# Altium PCB ECE453_Custom.PcbDoc (continued)
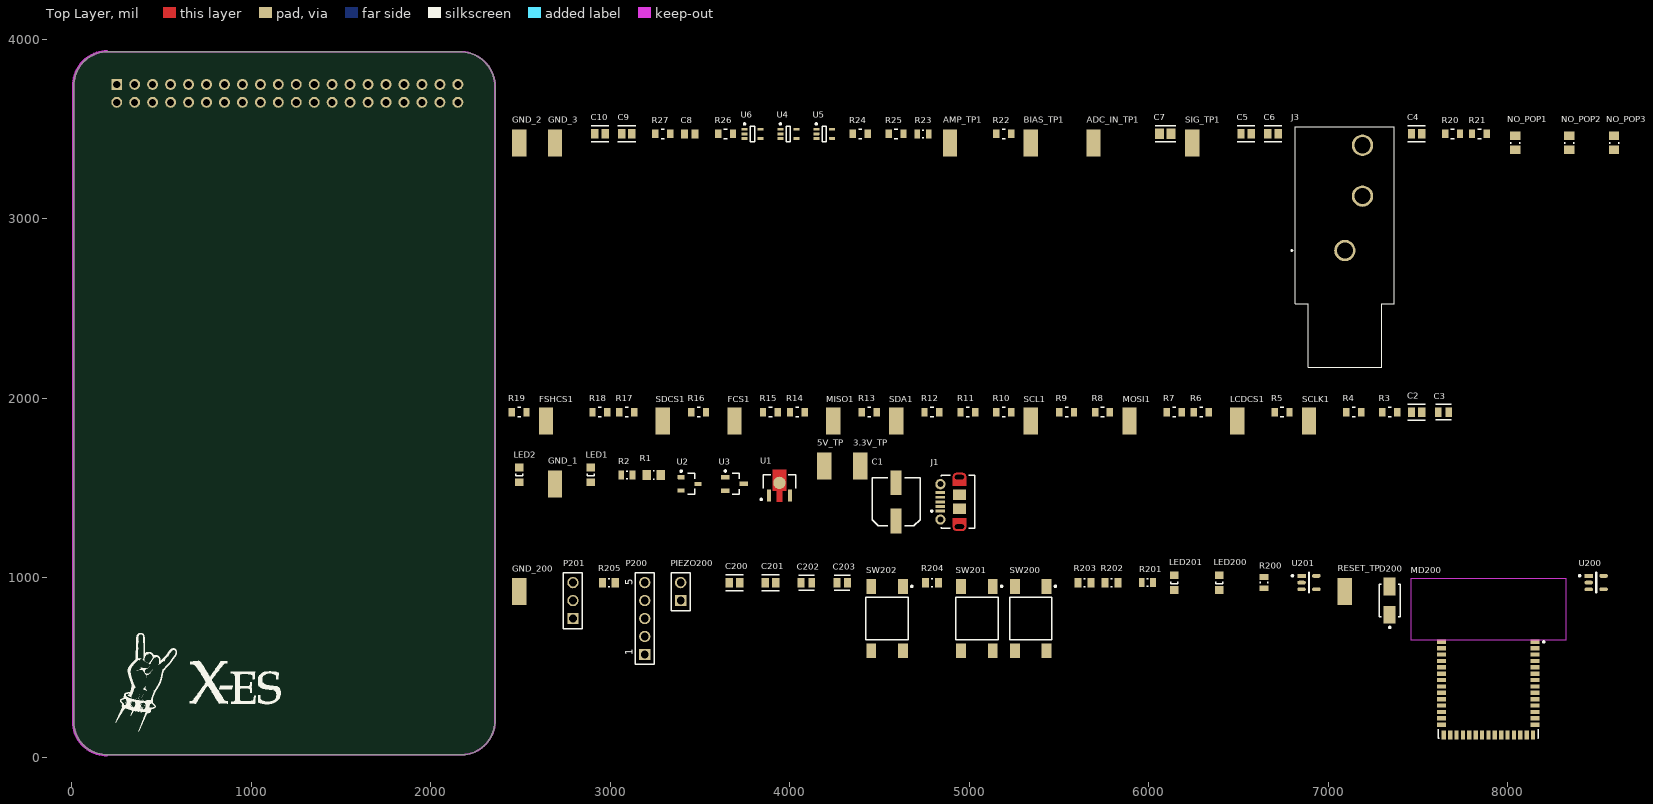
[diagram p0: Top Layer view]
## Part data (continued)
LED201: library part CMP-1426-00011-1, "SMD mono-color Chip LED, WL-SMCW, Red", Case Code (Imperial)=0805, Case Code (Metric)=2012, Color=Red, Forward Current=30mA, Forward Voltage=2V, Manufacturer="Wuerth Elektronik", Manufacturer 1="Wurth Electronics", Max Operating Temperature=85°C, Min Operating Temperature=-40°C, Package Quantity=4000, Supplier Part Number 1=732-4984-1-ND, Test Current=20mA, Case/Package=0805, Category=LEDs, ComponentLink1Description="Manufacturer URL", ComponentLink1URL=http://www.we-online.com, ComponentLink2Description=Datasheet, ComponentLink2URL=http://katalog.we-online.com/led/datasheet/150080RS75000.pdf, ComponentLink3Description=https://datasheet.ciiva.com/22656/150080rs75000-22656961.pdf?src-supplier=Element14, ComponentLink3URL=https://datasheet.ciiva.com/22656/150080rs75000-22656961.pdf?src-supplier=Element14, ComponentLink4Description=https://datasheet.ciiva.com/29279/759435-da-01-en-chipled-0805-w-kl-rot-150080rs75000-29279032.pdf?src-supplier=Conrad, ComponentLink4URL=https://datasheet.ciiva.com/29279/759435-da-01-en-chipled-0805-w-kl-rot-150080rs75000-29279032.pdf?src-supplier=Conrad, Dominant Wavelength=625nm, Height=0.7mm, Length=2mm, Lens Style=Clear,Rectangular, Luminous Intensity=150mcd, Manufacturer Part Number 1=150080RS75000, Mount="Surface Mount", PackageReference=0805_A, Packaging="Tape and Reel", PartNumber=150080RS75000, Pricing 1="1=0.19000, 50=0.17600, 100=0.15100, 500=0.13100 (USD)", REACH SVHC=Unknown, RoHS=Yes, RoHS Compliant=Yes, Stock 1=100282, Supplier 1=Digi-Key, Viewing Angle=140°, Wavelength=625nm, Width=1.25mm
MD200: library part CMP-12964-000002-1, "RF TXRX MOD BLUETOOTH TRACE ANT", Manufacturer="Cypress Semiconductor", Manufacturer 1=Cypress, Max Frequency=2.5GHz, Max Supply Voltage=3.6V, Min Supply Voltage=1.71V, Package=0, Receiving Current=6.7mA, Supplier Part Number 1=428-4622-1-ND, Temperature="-40°C to +85°C", Temperature Range High=+85°C, Temperature Range Low=-40°C, Transmitting Current=5.7mA, Automotive=No, Bandwidth=100MHz, Category=UNK, ComponentLink2Description=Datasheet, ComponentLink2URL=https://www.cypress.com/file/428336/download, Data Rate=2Mbits/s, Device Class L1="Integrated Circuits (ICs)", Device Class L2="RF Semiconductors and Devices", Device Class L3=Transceivers, Digikey Description="RF TXRX MOD BLUETOOTH TRACE ANT", Height=2mm, Interface=I2C,SPI,UART,I2S,Other, Lead Free=Yes, Manufacturer Part Number=CYBLE-416045-02, Manufacturer Part Number 1=CYBLE-416045-02, Number Of Adc Channels=1, Number Of Gpio=36, Octopart=https://octopart.com/cyble-416045-02-cypress+semiconductor-96386825, Pricing 1="1=16.24000, 10=14.69300, 25=13.53280, 100=12.37280, 250=11.59952 (USD)", RoHS=TRUE, RoHS Compliant=Yes, Stock 1=3441, Supplier 1=Digi-Key
NO_POP1 NO_POP2 NO_POP3: library part CMP-2100-03673-1, "Chip Resistor, 0 Ohm, Jumper, +/- 5%, 0.125 W, -55 to 155 degC, 0805 (2012 Metric), RoHS, Tape and Reel", Case Code (Imperial)=0805, Case Code (Metric)=2012, Manufacturer=Yageo, Manufacturer Part Number=RC0805JR-070RL, Max Operating Temperature=155degC, Max Power Dissipation=125mW, Min Operating Temperature=-55degC, Package Description="2-Pin Surface Mounted Device, Body 2 x 1.25 mm", Resistance=0mOhm, Resistance Tolerance=5%, Resistor Type="Thick Film", Temperature Coefficient=200ppm/degreesC, Voltage Rating=150V, Case/Package=0805, Category="Chip SMD Resistors", ComponentLink1Description=https://datasheet.ciiva.com/11819/0900766b8106beab-11819430.pdf?src-supplier=RSComponents, ComponentLink1URL=https://datasheet.ciiva.com/11819/0900766b8106beab-11819430.pdf?src-supplier=RSComponents, ComponentLink2Description=https://datasheet.ciiva.com/7941/1738694-7941861.pdf?src-supplier=Element14, ComponentLink2URL=https://datasheet.ciiva.com/7941/1738694-7941861.pdf?src-supplier=Element14, ComponentLink3Description=https://datasheet.ciiva.com/7941/1738694-7941862.pdf?src-supplier=Element14, ComponentLink3URL=https://datasheet.ciiva.com/7941/1738694-7941862.pdf?src-supplier=Element14, ComponentLink4Description=https://datasheet.ciiva.com/7941/1738694-7941863.pdf?src-supplier=Element14, ComponentLink4URL=https://datasheet.ciiva.com/7941/1738694-7941863.pdf?src-supplier=Element14, ComponentLink5Description=https://datasheet.ciiva.com/15190/getdatasheetpartid-330685-15190028.pdf?src-supplier=Verical, ComponentLink5URL=https://datasheet.ciiva.com/15190/getdatasheetpartid-330685-15190028.pdf?src-supplier=Verical, Composition=ThickFilm, Construction=Rectangular, Contact Plating=Tin, Datasheet URL=http://www.yageo.com/NewPortal/yageodocoutput?fileName=/pdf/R-Chip/PYu-RC_Group_51_RoHS_L_5.pdf, Datasheet Version="Rev. 5, 10/2016", Depth=1.25mm, Features="Moisture Resistant", Height=0.5mm, Lead Free=LeadFree, Length=2mm, Manufacturer URL=http://www.yageo.com/, Military Standard=Not, Number of Pins=2, Number of Terminations=2, Package Reference=0805, Packaging=TapeandReel, Power Rating=125mW, Pricing 1="1=0.10000, 10=0.03100, 25=0.02280, 50=0.01720, 100=0.01280, 250=0.00972, 500=0.00778, 1000=0.00573 (USD)", Radiation Hardening=No, REACH SVHC=Unknown, RoHS=Yes, RoHS Compliant=Yes, RoHSCompliant=true, Series=RC, Size Code=0805, Stock 1=3029531, Supplier 1=Digi-Key, Technology="THICK FILM", Termination=SMD/SMT, Tolerance=5%, Voltage Rating (DC)=150V, Width=1.25mm
P200: library part CMP-1502-01068-1, "THT Vertical Pin Header WR-PHD, Pitch 2.54 mm, Single Row, 5 pins", Color=Black, Contact Resistance=20mOhm, Manufacturer="Wurth Elektronik", Manufacturer 1="Wurth Electronics", Operating Temperature=-40to105degC, Rated Current=3A, Supplier Part Number 1=732-5318-ND, Withstanding Voltage=500VAC, Working Voltage=250VAC, Category="Headers and Wire Housings", ComponentLink1Description=http://www.farnell.com/cad/1737268.pdf?src-supplier=Element14, ComponentLink1URL=http://www.farnell.com/cad/1737268.pdf?src-supplier=Element14, ComponentLink2Description=https://katalog.we-online.de/em/datasheet/6130xx11121.pdf?src-supplier=Digi-Key, ComponentLink2URL=https://katalog.we-online.de/em/datasheet/6130xx11121.pdf?src-supplier=Digi-Key, Connector Type="Male Pin", Contact Material=Copper, Contact Mating Length=0.236inch, Contact Plating=Gold, Datasheet URL=https://katalog.we-online.de/em/datasheet/6130xx11121.pdf, Gender=Male, Lead Free="Lead Free", Manufacturer Part Number 1=61300511121, Manufacturer URL=http://www.we-online.de, Mount="Through Hole", Mounting Technology=THT, Number of Contacts=5, Number of Positions=5, Number of Rows=1, Orientation=Vertical, Package Reference=61300511121, Packaging=Bag, Part Number=61300511121, Pin Number=5, Pitch=2.54mm, Pricing 1="1=0.26000, 10=0.22200, 25=0.18520, 50=0.15500, 100=0.14100, 1000=0.12800 (USD)", Publisher=WurthElektronik, REACH SVHC=Unknown, RoHS=Yes, RoHS Compliant=Yes, Row Number=Single, Stock 1=41302, Supplier 1=Digi-Key, Termination=Solder
P201: library part CMP-1502-01062-1, "THT Vertical Pin Header WR-PHD, Pitch 2.54 mm, Single Row, 3 pins", Color=Black, Contact Resistance=20mOhm, Manufacturer="Wurth Elektronik", Operating Temperature=-40to105degC, Rated Current=3A, Withstanding Voltage=500VAC, Working Voltage=250VAC, Category=Connectors, ComponentLink1Description=http://www.farnell.com/cad/1737268.pdf?src-supplier=Element14, ComponentLink1URL=http://www.farnell.com/cad/1737268.pdf?src-supplier=Element14, ComponentLink2Description=https://katalog.we-online.de/em/datasheet/6130xx11121.pdf?src-supplier=Digi-Key, ComponentLink2URL=https://katalog.we-online.de/em/datasheet/6130xx11121.pdf?src-supplier=Digi-Key, Connector Type="Male Pin", Contact Material=Copper, Contact Mating Length=0.236inch, Contact Plating=Gold, Datasheet URL=https://katalog.we-online.de/em/datasheet/6130xx11121.pdf, Gender=Male, Lead Free="Lead Free", Manufacturer Part Number=61300311121, Manufacturer URL=http://www.we-online.de, Mount="Through Hole", Mounting Technology=THT, Number of Contacts=3, Number of Positions=3, Number of Rows=1, Orientation=Vertical, Package Reference=61300311121, Packaging=Bag, Part Number=61300311121, Pin Number=3, Pitch=2.54mm, Pricing 1="1=0.13000, 10=0.11300, 25=0.09400, 50=0.07900, 100=0.07100, 1000=0.06600 (USD)", Publisher=WurthElektronik, REACH SVHC=Unknown, RoHS=Yes, RoHS Compliant=Yes, Row Number=Single, Stock 1=76429, Supplier 1=Digi-Key, Termination=Solder
PIEZO200: library part CMP-1712-00002-4, "THT Vertical Pin Header WR-PHD, Pitch 2.54 mm, Single Row, 2 pins", Color=Black, Contact Resistance=20mOhm, Current Rating=3A, Manufacturer="Wurth Elektronik", Max Operating Temperature=125°C, Min Operating Temperature=-40°C, Operating Temperature=-40to105degC, Voltage Rating=250V, Withstanding Voltage=500VAC, Working Voltage=250VAC, Category="Headers and Wire Housings", ComponentLink1Description=https://datasheet.ciiva.com/13619/6130xx11121-48870-13619345.pdf?src-supplier=Mouser, ComponentLink1URL=https://datasheet.ciiva.com/13619/6130xx11121-48870-13619345.pdf?src-supplier=Mouser, Connector Type="Male Pin", Contact Gender=Male, Contact Material="Copper Alloy,Copper", Contact Mating Length=0.236inch, Contact Plating=Gold, Contact Type="Male Pin", Datasheet URL=https://katalog.we-online.de/em/datasheet/6130xx11121.pdf, Gender=Male, Housing Material=PBT, Lead Free="Lead Free", Manufacturer Part Number=61300211121, Manufacturer URL=http://www.we-online.de, Mount="Through Hole", Mounting Technology=THT, Number of Contacts=2, Number of Positions=2, Number of Rows=1, Orientation=Vertical, Package Reference=61300211121, Packaging=Bag, Part Number=61300211121, Pin Number=2, Pitch=2.54mm, Pricing 1="1=0.13000, 10=0.11300, 25=0.09400, 50=0.07900, 100=0.07100, 1000=0.06500 (USD)", Publisher=WurthElektronik, Rated Current=3A, REACH SVHC=Unknown, RoHS=Yes, RoHS Compliant=Yes, Row Number=Single, Series=WR-PHD, Stock 1=267961, Supplier 1=Digi-Key, Termination="Through Hole"
R1: library part CMP-2100-03669-1, "Chip Resistor, 100 Ohm, +/-1%, 0.125 W, -55 to 155 degC, 0805 (2012 Metric), RoHS, Tape and Reel", Case Code (Imperial)=0805, Case Code (Metric)=2012, Manufacturer=Yageo, Manufacturer Part Number=RC0805FR-07100RL, Max Operating Temperature=155degC, Max Power Dissipation=125mW, Min Operating Temperature=-55degC, Package Description="2-Pin Surface Mounted Device, Body 2 x 1.25 mm", Package Quantity=1, Resistance=100Ohm, Resistor Type="Thick Film", Temperature Coefficient=100ppm/degreesC, Tolerance=1%, Voltage Rating=150V, Application(s)="HIGH RELIABILITY", Case/Package=0805, Category="Chip SMD Resistors", ComponentLink1Description=https://datasheet.ciiva.com/11808/0900766b8106beab-11808877.pdf?src-supplier=RSComponents, ComponentLink1URL=https://datasheet.ciiva.com/11808/0900766b8106beab-11808877.pdf?src-supplier=RSComponents, ComponentLink2Description=https://datasheet.ciiva.com/7941/1697719-7941680.pdf?src-supplier=Element14, ComponentLink2URL=https://datasheet.ciiva.com/7941/1697719-7941680.pdf?src-supplier=Element14, ComponentLink3Description=https://datasheet.ciiva.com/7941/1686128-7941679.pdf?src-supplier=Element14, ComponentLink3URL=https://datasheet.ciiva.com/7941/1686128-7941679.pdf?src-supplier=Element14, ComponentLink4Description=https://datasheet.ciiva.com/7660/38627-7660797.pdf?src-supplier=Element14, ComponentLink4URL=https://datasheet.ciiva.com/7660/38627-7660797.pdf?src-supplier=Element14, ComponentLink5Description=https://datasheet.ciiva.com/22747/444164-22747535.pdf?src-supplier=Element14, ComponentLink5URL=https://datasheet.ciiva.com/22747/444164-22747535.pdf?src-supplier=Element14, ComponentLink6Description=https://datasheet.ciiva.com/46447/444164-46447562.pdf?src-supplier=Element14, ComponentLink6URL=https://datasheet.ciiva.com/46447/444164-46447562.pdf?src-supplier=Element14, ComponentLink7Description=https://datasheet.ciiva.com/2456/pyu-r-int-thick-7-2456988.pdf?src-supplier=Digi-Key, ComponentLink7URL=https://datasheet.ciiva.com/2456/pyu-r-int-thick-7-2456988.pdf?src-supplier=Digi-Key, ComponentLink8Description=https://datasheet.ciiva.com/2456/pyu-r-int-thick-7-2456989.pdf?src-supplier=Digi-Key, ComponentLink8URL=https://datasheet.ciiva.com/2456/pyu-r-int-thick-7-2456989.pdf?src-supplier=Digi-Key, ComponentLink9Description=https://datasheet.ciiva.com/2456/pyu-r-int-thick-7-2456987.pdf?src-supplier=Digi-Key, ComponentLink9URL=https://datasheet.ciiva.com/2456/pyu-r-int-thick-7-2456987.pdf?src-supplier=Digi-Key, ComponentLink10Description=https://datasheet.ciiva.com/17082/rc0805-17082697.pdf?src-supplier=Future+Electronics, ComponentLink10URL=https://datasheet.ciiva.com/17082/rc0805-17082697.pdf?src-supplier=Future+Electronics, Composition=ThickFilm, Datasheet URL=http://www.yageo.com/NewPortal/yageodocoutput?fileName=/pdf/R-Chip/PYu-RC_Group_51_RoHS_L_5.pdf, Datasheet Version="Rev. 5, 10/2016", Depth=1.25mm, Features="Moisture Resistant", Height=0.024inch, Lead Free=LeadFree, Lead Pitch=0.4mm, Length=2mm, Manufacturer URL=http://www.yageo.com/, Military Standard=Not, Number of Pins=2, Number of Terminations=2, Package Reference=0805, Packaging=TapeandReel, Power Rating=125mW, Pricing 1="1=0.10000, 10=0.03700, 100=0.01510, 1000=0.00680, 2500=0.00590 (USD)", REACH SVHC=Unknown, RoHS=Yes, RoHS Compliant=Yes, RoHSCompliant=true, Series=RC, Stock 1=3207618, Supplier 1=Digi-Key, Technology="THICK FILM", Termination=SMD/SMT, Type="General Purpose", Voltage Rating (DC)=150V, Weight=0.000917oz, Width=0.049inch
R2: library part CMP-2001-01384-1, "RES 43 OHM 1/8W .5% SMD 0805", Case Code (Imperial)=0805, Case Code (Metric)=2012, Manufacturer=Yageo, Manufacturer Part Number=RC0805JR-0743RL, Max Operating Temperature=155°C, Max Power Dissipation=125mW, Min Operating Temperature=-55°C, Resistor Type="Thick Film", Temperature Coefficient=100ppm/°C, Tolerance=5%, Voltage Rating=150V, Case/Package=0805, Category="Chip SMD Resistors", ComponentLink1Description=https://datasheet.ciiva.com/12560/rc0805-257173-12560726.pdf?src-supplier=Mouser, ComponentLink1URL=https://datasheet.ciiva.com/12560/rc0805-257173-12560726.pdf?src-supplier=Mouser, ComponentLink2Description=https://datasheet.ciiva.com/16745/rc0805-16745692.pdf?src-supplier=Future+Electronics, ComponentLink2URL=https://datasheet.ciiva.com/16745/rc0805-16745692.pdf?src-supplier=Future+Electronics, Construction=Rectangular, Contact Plating=Tin,Matte, Depth=1.25mm, Features="Moisture Resistant", Height=0.5mm, Lead Free="Lead Free", Length=2mm, Military Standard=Not, Number of Terminations=2, Packaging="Tape and Reel", Part Number=RC0805JR-0743RL, Power Rating=125mW, Pricing 1="1=0.10000, 10=0.03200, 100=0.01300, 1000=0.00584, 2500=0.00507 (USD)", Radiation Hardening=No, Resistance=43R, RoHS=Yes, RoHS Compliant=Yes, Series=RC, Size Code=0805, Stock 1=8138, Supplier 1=Digi-Key, Termination=SMD/SMT, Voltage Rating (DC)=150V, Width=1.25mm
R3 R4 R5 R6 R7 R8 R9 R10 R11 R12 R13 R14 R15 R16 R17 R18 R19: library part CMP-2001-04570-2, "RES SMD 0 OHM JUMPER 1/8W 0805", Case Code (Imperial)=0805, Case Code (Metric)=2012, Manufacturer=Yageo, Manufacturer Part Number=RC0805FR-070RL, Max Operating Temperature=155°C, Max Power Dissipation=125mW, Min Operating Temperature=-55°C, Package=RC0805, Power Rating=0.125W, Resistance=0Ω, Resistor Type="Thick Film", Temperature="-55°C to +155°C", Temperature Range High=+155°C, Tolerance=1%, Voltage Rating=150V, Automotive=No, Case/Package=0805, Category=Res, ComponentLink1Description=https://datasheet.ciiva.com/15189/getdatasheetpartid-348154-15189885.pdf?src-supplier=Verical, ComponentLink1URL=https://datasheet.ciiva.com/15189/getdatasheetpartid-348154-15189885.pdf?src-supplier=Verical, ComponentLink2Description=Datasheet, ComponentLink2URL=http://www.yageo.com/documents/recent/PYu-RC_Group_51_RoHS_L_10.pdf, ComponentLink3Description=https://datasheet.ciiva.com/17042/rc0805-17042698.pdf?src-supplier=Future+Electronics, ComponentLink3URL=https://datasheet.ciiva.com/17042/rc0805-17042698.pdf?src-supplier=Future+Electronics, Composition="Thick Film", Construction=Rectangular, Contact Plating=Tin,Matte, Depth=1.25mm, Device Class L1="Passive Components", Device Class L2=Resistors, Device Class L3="Chip SMD Resistors", Digikey Description="RES SMD 0 OHM JUMPER 1/8W 0805", Features="Moisture Resistant", Footprint Url=http://www.yageo.com/exep/pages/download/literatures/PYu-R_Mount_10.pdf, Height=0.6mm, Ipc Land Pattern Name=RESC200125X50, Lead Free=Yes, Length=2mm, Military Standard=Not, Number of Terminations=2, Octopart=https://octopart.com/rc0805fr-070rl-yageo-9293404, Packaging="Tape and Reel", Pricing 1="1=0.10000, 10=0.03300, 25=0.02360, 50=0.01800, 100=0.01330, 250=0.01012, 500=0.00810, 1000=0.00597 (USD)", Radiation Hardening=No, RoHS=TRUE, RoHS Compliant=Yes, Series=RC_L, Size Code=0805, Stock 1=908367, Supplier 1=Digi-Key, Temperature Range Low=-55°C
R20 R22: library part CMP-03412-020019-1, "RES 100K OHM 1/8W .5% SMD 0805", Case Code (Imperial)=0805, Case Code (Metric)=2012, Manufacturer=Yageo, Manufacturer Part Number=RT0805DRE07100KL, Max Operating Temperature=155°C, Max Power Dissipation=125mW, Min Operating Temperature=-55°C, Package=RT0805, Power Rating=0.125W, Resistance=100KΩ, Resistor Type="Thin Film", Temperature="-55°C to +155°C", Temperature Coefficient="50 ppm/°C", Temperature Range High=+155°C, Tolerance=0.01, Voltage Rating=150V, Automotive=No, Case/Package=0805, Category=Res, ComponentLink1Description=http://www.yageo.com/documents/recent/PYu-RT_1-to-0.01_RoHS_L_9.pdf?src-supplier=Digi-Key, ComponentLink1URL=http://www.yageo.com/documents/recent/PYu-RT_1-to-0.01_RoHS_L_9.pdf?src-supplier=Digi-Key, ComponentLink2Description=Datasheet, ComponentLink2URL=http://www.yageo.com/documents/recent/PYu-RT_1-to-0.01_RoHS_L_9.pdf, Composition="Thin Film", Device Class L1="Passive Components", Device Class L2=Resistors, Device Class L3="Chip SMD Resistors", Digikey Description="RES 100K OHM 1/8W .5% SMD 0805", Features="Moisture Resistant", Footprint Url=http://www.yageo.com/exep/pages/download/literatures/PYu-R_Mount_10.pdf, Height=0.6mm, Ipc Land Pattern Name=RESC200125X50, Lead Free=Yes, Length=0.079inch, Number of Terminations=2, Octopart=https://octopart.com/rt0805dre07100kl-yageo-1433075, Packaging="Tape and Reel", Pricing 1="1=0.13000, 10=0.11500, 100=0.04430, 1000=0.01947, 2500=0.01682 (USD)", RoHS=TRUE, RoHS Compliant=Yes, Series=RT, Stock 1=19530, Supplier 1=Digi-Key, Temperature Range Low=-55°C, Voltage Rating (DC)=150V, Width=0.049inch
R21 R26 R27: library part CMP-2001-01785-2, "RES 10.0K OHM 1/8W .5% SMD 0805", Case Code (Imperial)=0805, Case Code (Metric)=2012, Manufacturer=Yageo, Manufacturer Part Number=RT0805DRE0710KL, Max Operating Temperature=125°C, Max Power Dissipation=125mW, Min Operating Temperature=-55°C, Package=RT0805, Package Quantity=5000, Power Rating=0.125W, Resistance=10KΩ, Resistor Type="Thin Film", Temperature="-55°C to +155°C", Temperature Coefficient="50 ppm/°C", Temperature Range High=+155°C, Tolerance=0.01, Voltage Rating=150V, Automotive=No, Case/Package=0805, Category=Res, ComponentLink1Description=http://www.mouser.com/ds/2/447/yageodocoutput-1125656.pdf?src-supplier=Mouser, ComponentLink1URL=http://www.mouser.com/ds/2/447/yageodocoutput-1125656.pdf?src-supplier=Mouser, ComponentLink2Description=Datasheet, ComponentLink2URL=http://www.yageo.com/documents/recent/PYu-RT_1-to-0.01_RoHS_L_9.pdf, ComponentLink3Description=http://www.yageo.com/documents/recent/PYu-RT_1-to-0.01_RoHS_L_9.pdf?src-supplier=Digi-Key, ComponentLink3URL=http://www.yageo.com/documents/recent/PYu-RT_1-to-0.01_RoHS_L_9.pdf?src-supplier=Digi-Key, ComponentLink4Description=http://www.yageo.com/documents/recent/PYu-RT_1-to-0.05_RoHS_L_(4).pdf?src-supplier=Future+Electronics, ComponentLink4URL=http://www.yageo.com/documents/recent/PYu-RT_1-to-0.05_RoHS_L_(4).pdf?src-supplier=Future+Electronics, Composition="Thin Film", Construction=Rectangular, Depth=1.25mm, Device Class L1="Passive Components", Device Class L2=Resistors, Device Class L3="Chip SMD Resistors", Digikey Description="RES 10.0K OHM 1/8W .5% SMD 0805", Features="Moisture Resistant", Footprint Url=http://www.yageo.com/exep/pages/download/literatures/PYu-R_Mount_10.pdf, Height=0.6mm, Ipc Land Pattern Name=RESC200125X50, Lead Free=Yes, Length=2mm, Military Standard=Not, Mouser Description="Res Thin Film 0805 10K Ohm 0.5% 1/8W ±50ppm/°C Molded SMD Paper T/R", Number of Terminations=2, Octopart=https://octopart.com/rt0805dre0710kl-yageo-1180739, Packaging="Tape and Reel", Pricing 1="1=0.13000, 10=0.11500, 100=0.04430, 1000=0.01947, 2500=0.01682 (USD)", RoHS=TRUE, RoHS Compliant=Yes, Series=RT, Size Code=0805, Stock 1=92996, Supplier 1=Digi-Key, Temperature Range Low=-55°C, Termination=SMD/SMT, Voltage Rating (DC)=150V, Weight=0.000194oz, Width=1.25mm
R23: library part CMP-2001-01475-1, "RES 2K OHM 1/8W .5% SMD 0805", Case Code (Imperial)=0805, Case Code (Metric)=2012, Manufacturer=Yageo, Manufacturer Part Number=RT0805FRE072KL, Max Operating Temperature=125°C, Max Power Dissipation=125mW, Min Operating Temperature=-55°C, Package Quantity=5000, Resistor Type="Thin Film", Temperature Coefficient=50ppm/°C, Tolerance=1%, Voltage Rating=150V, Case/Package=0805, Category="Chip SMD Resistors", ComponentLink1Description=https://datasheet.ciiva.com/12811/pyu-rt-1-to-0-05-rohs-l-4-12811661.pdf?src-supplier=Mouser, ComponentLink1URL=https://datasheet.ciiva.com/12811/pyu-rt-1-to-0-05-rohs-l-4-12811661.pdf?src-supplier=Mouser, ComponentLink2Description=https://datasheet.ciiva.com/2561/pyu-rt-1-to-0-05-rohs-l-5-2561141.pdf?src-supplier=Digi-Key, ComponentLink2URL=https://datasheet.ciiva.com/2561/pyu-rt-1-to-0-05-rohs-l-5-2561141.pdf?src-supplier=Digi-Key, Construction=Rectangular, Contact Plating=Tin,Lead,Matte, Depth=1.25mm, Features="Moisture Resistant", Height=0.024inch, Lead Free="Lead Free", Length=2mm, Military Standard=Not, Number of Terminations=2, Packaging="Tape and Reel", Part Number=RT0805FRE072KL, Power Rating=125mW, Pricing 1="1=0.10000, 10=0.08400, 100=0.03250, 1000=0.01430, 2500=0.01235 (USD)", Radiation Hardening=No, Resistance=2kR, RoHS=Yes, RoHS Compliant=Yes, Series=RT, Stock 1=19626, Supplier 1=Digi-Key, Termination=SMD/SMT, Voltage Rating (DC)=150V, Weight=0.000194oz, Width=0.049inch
R24 R25: library part CMP-2001-01500-2, "RES SMD 6.2K OHM 1% 1/8W 0805", Case/Package=0805, Manufacturer=Yageo, Manufacturer Part Number=RT0805FRE076K2L, Max Operating Temperature=125°C, Max Power Dissipation=125mW, Min Operating Temperature=-55°C, Package=RT0805, Package Quantity=5000, Power Rating=0.125W, Resistance=6.2KΩ, Resistor Type="Thin Film", Temperature="-55°C to +155°C", Temperature Coefficient="50 ppm/°C", Temperature Range High=+155°C, Tolerance=0.0001, Voltage Rating=150V, Automotive=No, Category=Res, ComponentLink1Description=https://datasheet.ciiva.com/2561/pyu-rt-1-to-0-05-rohs-l-5-2561365.pdf?src-supplier=Digi-Key, ComponentLink1URL=https://datasheet.ciiva.com/2561/pyu-rt-1-to-0-05-rohs-l-5-2561365.pdf?src-supplier=Digi-Key, ComponentLink2Description=Datasheet, ComponentLink2URL=http://www.yageo.com/documents/recent/PYu-RT_1-to-0.01_RoHS_L_9.pdf, Composition="Thin Film", Construction=Rectangular, Contact Plating=Tin,Matte, Depth=1.25mm, Device Class L1="Passive Components", Device Class L2=Resistors, Device Class L3="Chip SMD Resistors", Digikey Description="RES SMD 6.2K OHM 1% 1/8W 0805", Footprint Url=http://www.yageo.com/exep/pages/download/literatures/PYu-R_Mount_10.pdf, Height=0.6mm, Ipc Land Pattern Name=RESC200125X50, Lead Free=Yes, Length=0.079inch, Military Standard=Not, Number of Terminations=2, Octopart=https://octopart.com/rt0805fre076k2l-yageo-1397874, Packaging="Tape and Reel", Pricing 1="1=0.10000, 10=0.08400, 100=0.03250, 1000=0.01430, 2500=0.01235 (USD)", Radiation Hardening=No, RoHS=TRUE, RoHS Compliant=Yes, Series=RT, Stock 1=49588, Supplier 1=Digi-Key, Temperature Range Low=-55°C, Voltage Rating (DC)=150V, Width=0.049inch
R200 R201: library part CMP-2000-06960-1, "Chip Resistor, 330 Ohm, +/- 1%, 125 mW, -55 to 155 degC, 0805 (2012 Metric), RoHS, Tape and Reel", Case Code (Imperial)=0805, Case Code (Metric)=2012, Manufacturer=Yageo, Max Operating Temperature=155°C, Max Power Dissipation=125mW, Min Operating Temperature=-55°C, Operating Temperature Range=-55Cto+155C, Package Description="2-Pin Surface Mounted Device, Body 2 x 1.25 mm", Package Quantity=5000, Power Rating=125mW(1/8W), Resistance=330Ohms, Resistance Tolerance=1%, Resistor Type="Thick Film", Supplier Part Number 1=311-330CRCT-ND, Temperature Coefficient=100PPM/C, Voltage Rating=150V, Case Code - in=0805, Case Code - mm=2012, Case/Package=0805, Category="Chip SMD Resistors", ComponentLink1Description=https://datasheet.ciiva.com/2457/pyu-r-int-thick-7-2457015.pdf?src-supplier=Digi-Key, ComponentLink1URL=https://datasheet.ciiva.com/2457/pyu-r-int-thick-7-2457015.pdf?src-supplier=Digi-Key, ComponentLink2Description=https://datasheet.ciiva.com/2457/pyu-r-int-thick-7-2457016.pdf?src-supplier=Digi-Key, ComponentLink2URL=https://datasheet.ciiva.com/2457/pyu-r-int-thick-7-2457016.pdf?src-supplier=Digi-Key, ComponentLink3Description=https://datasheet.ciiva.com/2457/pyu-r-int-thick-7-2457014.pdf?src-supplier=Digi-Key, ComponentLink3URL=https://datasheet.ciiva.com/2457/pyu-r-int-thick-7-2457014.pdf?src-supplier=Digi-Key, ComponentLink4Description=https://datasheet.ciiva.com/12667/rc0805-12667925.pdf?src-supplier=Mouser, ComponentLink4URL=https://datasheet.ciiva.com/12667/rc0805-12667925.pdf?src-supplier=Mouser, ComponentLink5Description=https://datasheet.ciiva.com/7941/444164-7941768.pdf?src-supplier=Element14, ComponentLink5URL=https://datasheet.ciiva.com/7941/444164-7941768.pdf?src-supplier=Element14, ComponentLink6Description=https://datasheet.ciiva.com/7941/444164-7941769.pdf?src-supplier=Element14, ComponentLink6URL=https://datasheet.ciiva.com/7941/444164-7941769.pdf?src-supplier=Element14, ComponentLink7Description=https://datasheet.ciiva.com/16740/rc0805-16740975.pdf?src-supplier=Future+Electronics, ComponentLink7URL=https://datasheet.ciiva.com/16740/rc0805-16740975.pdf?src-supplier=Future+Electronics, Construction=Rectangular, Datasheet URL=http://www.yageo.com/documents/recent/PYu-RC_Group_51_RoHS_L_7.pdf, Datasheet Version="Rev. 7, 05/2017", Depth=1.25mm, Features="Moisture Resistant", Height=0.024inch, Lead Free="Lead Free", Length=2mm, Manufacturer 1=Yageo, Manufacturer Part Number 1=RC0805FR-07330RL, Manufacturer URL=http://www.yageo.com/, Military Standard=Not, Mounting Technology=SurfaceMount, Number of Terminations=2, Package Reference=0805, Packaging=Reel, Pricing 1="1=0.10000, 10=0.03800, 100=0.01560, 1000=0.00699, 2500=0.00607 (USD)", Product=ThickFilmResistorsGeneralPurpose, REACH SVHC=Unknown, RoHS=Yes, RoHS Compliant=Yes, Series=RC, Size Code=0805, Stock 1=1406392, Supplier 1=Digi-Key, Termination=SMD/SMT, Termination Style=SMD/SMT, Tolerance=1%, Width=0.049inch
R202 R203 R204 R205: library part CMP-1659-00013-4, "Chip Resistor, 10 KOhm, +/- 1%, 0.125 W, -55 to 155 degC, 0805 (2012 Metric), RoHS, Tape and Reel", Case Code (Imperial)=0805, Case Code (Metric)=2012, Manufacturer=Yageo, Max Operating Temperature="155 degC", Max Power Dissipation=125mW, Min Operating Temperature="-55 degC", Package Quantity=5000, Resistance=10kR, Resistance Tolerance=1%, Resistor Type="Thick Film", Supplier Part Number 1=311-10.0KCRCT-ND, Temperature Coefficient=100ppm/°C, Voltage Rating="150 V", Case/Package=0805, Category="Chip SMD Resistors", ComponentLink1Description="Manufacturer URL", ComponentLink1URL=http://www.yageo.com/, ComponentLink2Description=Datasheet, ComponentLink2URL=http://www.yageo.com/documents/recent/PYu-RC_Group_51_RoHS_L_04.pdf, ComponentLink3Description=https://datasheet.ciiva.com/11808/0900766b8106beab-11808151.pdf?src-supplier=RSComponents, ComponentLink3URL=https://datasheet.ciiva.com/11808/0900766b8106beab-11808151.pdf?src-supplier=RSComponents, ComponentLink4Description=https://datasheet.ciiva.com/46447/444164-46447563.pdf?src-supplier=Element14, ComponentLink4URL=https://datasheet.ciiva.com/46447/444164-46447563.pdf?src-supplier=Element14, ComponentLink5Description=https://datasheet.ciiva.com/2456/pyu-r-int-thick-7-2456973.pdf?src-supplier=Digi-Key, ComponentLink5URL=https://datasheet.ciiva.com/2456/pyu-r-int-thick-7-2456973.pdf?src-supplier=Digi-Key, ComponentLink6Description=https://datasheet.ciiva.com/2456/pyu-r-int-thick-7-2456974.pdf?src-supplier=Digi-Key, ComponentLink6URL=https://datasheet.ciiva.com/2456/pyu-r-int-thick-7-2456974.pdf?src-supplier=Digi-Key, ComponentLink7Description=https://datasheet.ciiva.com/2456/pyu-r-int-thick-7-2456972.pdf?src-supplier=Digi-Key, ComponentLink7URL=https://datasheet.ciiva.com/2456/pyu-r-int-thick-7-2456972.pdf?src-supplier=Digi-Key, ComponentLink8Description=https://datasheet.ciiva.com/12669/rc0805-12669688.pdf?src-supplier=Mouser, ComponentLink8URL=https://datasheet.ciiva.com/12669/rc0805-12669688.pdf?src-supplier=Mouser, ComponentLink9Description=https://datasheet.ciiva.com/16747/rc0805-16747087.pdf?src-supplier=Future+Electronics, ComponentLink9URL=https://datasheet.ciiva.com/16747/rc0805-16747087.pdf?src-supplier=Future+Electronics, Construction=Rectangular, DatasheetVersion="Rev. 4, 02/2016", Depth=1.25mm, Features="Moisture Resistant", Height="0.5 mm", Lead Free="Lead Free", Length="2 mm", Manufacturer 1=Yageo, Manufacturer Part Number 1=RC0805FR-0710KL, Military Standard=Not, Mount="Surface Mount", Mounting Technology="Surface Mount", Number of Terminations=2, PackageDescription="2-Pin Surface Mounted Device, Body 2 x 1.25 mm", PackageReference=0805, Packaging="Tape and Reel", Pins=2, Power Rating=125mW, Pricing 1="1=0.10000, 10=0.03800, 100=0.01560, 1000=0.00702, 2500=0.00610 (USD)", REACH SVHC="No SVHC", RoHS=Yes, RoHS Compliant=Yes, RoHSCompliant=true, Series=RC, Size Code=0805, Stock 1=5682818, Supplier 1=Digi-Key, Technology="THICK FILM", Termination=SMD/SMT, Tolerance=1%, Width=0.049inch
SW200 SW201 SW202: library part CMP-2000-05602-2, "Swicth, SPST, 24 V, -35 to 85 degC, 4-Pin SMD, RoHS, Tape and Reel", Case/Package=SMD/SMT, Color=Black, Contact Current Rating=50mA, Contact Resistance=100mOhm, Insulation Resistance=100MR, Manufacturer="TE Connectivity", Max Operating Temperature=85degC, Max Voltage Rating (DC)=12V, Min Operating Temperature=-35degC, Operating Force=1.57N, Package Description="4-Pin Surface Mount Device, Body 6 x 6 mm, Pitch 4.5 mm", Package Quantity=750, Supplier Part Number 1=450-1129-ND, Voltage Rating=24V, Actuator Length=0.055inch, Actuator Material=Polyamide, Actuator Type=Standard, Case\/Package=SMD/SMT, Category="Pushbutton Switches", Contact Material=CopperAlloy, Contact Plating=Silver, Current Rating=50mA, Datasheet URL=http://www.te.com/commerce/DocumentDelivery/DDEController?Action=showdoc&DocId=Customer+Drawing%7F2-1437565-7%7FV%7Fpdf%7FEnglish%7FENG_CD_2-1437565-7_V.pdf%7F4-1437565-2, Datasheet Version="Rev. V, 02/2015", Depth=10mm, Electrical Life=100000Cycles, ELV=Compliant, Illumination Type=Illuminated, Lead Free="Lead Free", Length=6mm, Manufacturer 1="TE Connectivity", Manufacturer Part Number 1=FSM4JSMA, Manufacturer URL=http://www.te.com/, Max Current Rating=50mA, Mechanical Life=100000Cycles, Mount=SurfaceMount, Mounting Technology=SurfaceMount, Orientation=Straight, Package Reference=FSM4JSMA, Packaging=LoosePiece, Pricing 1="1=0.27000, 10=0.26300, 25=0.24960, 100=0.22600, 250=0.20604, 750=0.19152, 1500=0.16339, 3000=0.15885, 5250=0.14977 (USD)", Radiation Hardening=No, REACH SVHC=Unknown, RoHS=Yes, RoHS Compliant=Yes, RoHSCompliant=true, Series=FSMJSMA, Stock 1=65608, Supplier 1=Digi-Key, Switch Function=Off-Mom, Switch Travel=0.25mm, Termination=GullWing, Throw Configuration=SPST, Voltage Rating (DC)=24V, Width=6mm
U1: library part CMP-12756-000007-1, "IC REG LINEAR 3.3V 800MA SOT89", Case/Package=SOT-89, Dropout Voltage=1.2V, Manufacturer="Diodes Inc.", Max Input Voltage=15V, Max Junction Temp=+125°C, Max Operating Temperature=125°C, Max Output Current=1.35A, Min Current Limit=1A, Min Operating Temperature=-20°C, Nominal Supply Current=4mA, Output Voltage=3.3V, Package=SOT89, Package Quantity=1000, Power Supply Rejection Ratio (PSRR)=70dB, Reference Voltage=1.262V, Temperature="-20°C to +125°C", Accuracy=1%, Accuracy Percentage=1%, Automotive=No, Category=IC, ComponentLink1Description=https://datasheet.ciiva.com/29568/az1117c-29568862.pdf?src-supplier=Digi-Key, ComponentLink1URL=https://datasheet.ciiva.com/29568/az1117c-29568862.pdf?src-supplier=Digi-Key, ComponentLink2Description=Datasheet, ComponentLink2URL=https://www.diodes.com/assets/Datasheets/AZ1117C.pdf, ComponentLink3Description=https://datasheet.ciiva.com/30016/az1117c-30016678.pdf?src-supplier=Avnet, ComponentLink3URL=https://datasheet.ciiva.com/30016/az1117c-30016678.pdf?src-supplier=Avnet, Device Class L1="Integrated Circuits (ICs)", Device Class L2="Power Management ICs", Device Class L3="Voltage Regulators - Linear", Digikey Description="IC REG LINEAR 3.3V 800MA SOT89", Footprint Url=https://www.diodes.com/assets/Package-Files/SOT89.pdf, Height=1.6mm, Lead Free=Yes, Length=4.6mm, Manufacturer Part Number=AZ1117CR-3.3TRG1, Max Supply Voltage=15V, Mount="Surface Mount", Mouser Description="DiodesZetex AZ1117CR-3.3TRG1, LDO Regulator, 800mA, 3.3 V, ±1% 3-Pin, SOT-89", Number Of Outputs=1, Number of Pins=3, Number of Regulators=1, Octopart=https://octopart.com/az1117cr-3.3trg1-diodes+inc.-30954805, Output Current=1.35A, Output Type=Fixed, Packaging="Tape and Reel", Polarity=Positive, Pricing 1="1=0.44000, 10=0.33300, 25=0.30040, 100=0.20740, 250=0.17468, 500=0.14194 (USD)", Quiescent Current=4mA, RoHS=TRUE, Stock 1=15482, Supplier 1=Digi-Key, Temperature Range High=+125°C, Temperature Range Low=-20°C, Weight=0.004603oz, Width=2.6mm
U2: library part CMP-0332-00606-2, "Voltage Supervisor with Active-Low, Open-Drain Reset, 1 Supply Monitored, -40 to 125 degC, 3-pin SOT-23 (DBZ), Green (RoHS & no Sb/Br)", Case/Package=SOT-23-3, Manufacturer="Texas Instruments", Manufacturer Part Number=TLV863MDBZR, Max Operating Temperature=125°C, Max Reset Threshold Voltage=4.48V, Max Supply Current=30uA, Max Supply Voltage=6V, Min Operating Temperature=-40°C, Min Reset Threshold Voltage=4.28V, Min Supply Voltage=1.1V, Number of Voltages Monitored=1, Operating Supply Current=20uA, Quiescent Current=9uA, Rating=Catalog, Threshold Voltage=4.38V, Threshold Voltage 1 (typ)(Typ)(V)=4.38, # of Supplies Monitored=1, Category="Voltage Supervisors", Code_JEDEC=TO-236-AB, ComponentLink1Description=Datasheet, ComponentLink1URL=http://www.ti.com/general/docs/lit/getliterature.tsp?genericPartNumber=TLV863M&fileType=pdf, ComponentLink2Description=https://datasheet.ciiva.com/14203/tlv863m-14203620.pdf?src-supplier=Avnet, ComponentLink2URL=https://datasheet.ciiva.com/14203/tlv863m-14203620.pdf?src-supplier=Avnet, ComponentLink3Description=https://datasheet.ciiva.com/1979/tlv863m-1979819.pdf?src-supplier=Digi-Key, ComponentLink3URL=https://datasheet.ciiva.com/1979/tlv863m-1979819.pdf?src-supplier=Digi-Key, ComponentLink4Description=https://datasheet.ciiva.com/1979/tlv863m-1979818.pdf?src-supplier=Digi-Key, ComponentLink4URL=https://datasheet.ciiva.com/1979/tlv863m-1979818.pdf?src-supplier=Digi-Key, ComponentLink5Description=https://datasheet.ciiva.com/1979/tlv863m-1979820.pdf?src-supplier=Digi-Key, ComponentLink5URL=https://datasheet.ciiva.com/1979/tlv863m-1979820.pdf?src-supplier=Digi-Key, DatasheetVersion=SBVS157B, Iq(Typ)(uA)=9, Lead Free="Lead Free", Mounting Technology="Surface Mount", Nominal Supply Current=30uA, Number of Elements=1, Number of Pins=3, Output Driver Type / Reset Output="Active-low, Open-drain", Package Quantity=1, PackageDescription="3-Pin Plastic Small-Outline Package, 0.95 mm Pitch, 2.4 mm Lead Span", PackageReference=DBZ0003A, PackageVersion="revB, Apr-2005", Packaging="Tape and Reel", PartNumber=TLV863MDBZR, Pricing 1="1=0.90000, 10=0.80100, 25=0.76000, 100=0.62410, 250=0.58344, 500=0.51558, 1000=0.40960 (USD)", Radiation Hardening=No, Reset="Active Low", Reset Threshold Accuracy(%)=2, Reset Timeout=120ms, RoHS=Yes, RoHS Compliant=Yes, Series=-, Stock 1=1146, SubFamily="Supervisor and Reset IC", Supplier 1=Digi-Key, Supply Current=30uA, Time Delay(ms)=200, VCC(Max)(V)=6, VCC(Min)(V)=1.1, Watchdog Timer=No
U3: library part CMP-0332-00609-2, "Voltage Supervisor with Active-Low, Open Drain Reset, 1 Supply Monitored, -40 to 125 degC, 3-pin SOT-23 (DBZ), Green (RoHS & no Sb/Br)", Case/Package=SOT-23, Manufacturer="Texas Instruments", Manufacturer Part Number=TLV803SDBZR, Max Operating Temperature=125°C, Max Reset Threshold Voltage=2.99V, Max Supply Current=30uA, Max Supply Voltage=6V, Min Operating Temperature=-40°C, Min Reset Threshold Voltage=2.87V, Min Supply Voltage=1.1V, Number of Voltages Monitored=1, Operating Supply Current=20uA, Quiescent Current=9uA, Rating=Catalog, Threshold Voltage=2.93V, Threshold Voltage 1 (typ)(Typ)(V)=2.93, # of Supplies Monitored=1, Category="Voltage Supervisors", Code_JEDEC=TO-236-AB, ComponentLink1Description=Datasheet, ComponentLink1URL=http://www.ti.com/general/docs/lit/getliterature.tsp?genericPartNumber=TLV803S&fileType=pdf, ComponentLink2Description=https://datasheet.ciiva.com/15105/getdatasheetpartid-544055-15105605.pdf?src-supplier=Verical, ComponentLink2URL=https://datasheet.ciiva.com/15105/getdatasheetpartid-544055-15105605.pdf?src-supplier=Verical, ComponentLink3Description=https://datasheet.ciiva.com/1979/tlv803m-1979838.pdf?src-supplier=Digi-Key, ComponentLink3URL=https://datasheet.ciiva.com/1979/tlv803m-1979838.pdf?src-supplier=Digi-Key, ComponentLink4Description=https://datasheet.ciiva.com/1979/tlv803m-1979837.pdf?src-supplier=Digi-Key, ComponentLink4URL=https://datasheet.ciiva.com/1979/tlv803m-1979837.pdf?src-supplier=Digi-Key, ComponentLink5Description=https://datasheet.ciiva.com/1979/tlv803m-1979839.pdf?src-supplier=Digi-Key, ComponentLink5URL=https://datasheet.ciiva.com/1979/tlv803m-1979839.pdf?src-supplier=Digi-Key, ComponentLink6Description=https://datasheet.ciiva.com/14203/tlv863m-14203548.pdf?src-supplier=Avnet, ComponentLink6URL=https://datasheet.ciiva.com/14203/tlv863m-14203548.pdf?src-supplier=Avnet, DatasheetVersion=SBVS157B, Iq(Typ)(uA)=9, Lead Free="Lead Free", Mount="Surface Mount", Mounting Technology="Surface Mount", Nominal Supply Current=30uA, Number of Elements=1, Number of Pins=3, Output Driver Type / Reset Output="Active-low, Open-drain", Package Quantity=1, PackageDescription="3-Pin Plastic Small-Outline Package, 0.95 mm Pitch, 2.4 mm Lead Span", PackageReference=DBZ0003A, PackageVersion="revB, Apr-2005", Packaging="Tape and Reel", PartNumber=TLV803SDBZR, Pricing 1="1=0.95000, 10=0.83600, 25=0.78520, 100=0.64100, 250=0.59536, 500=0.50668, 1000=0.40534 (USD)", Radiation Hardening=No, REACH SVHC="No SVHC", Reset="Active Low", Reset Threshold Accuracy(%)=2, Reset Timeout=120ms, RoHS=Yes, RoHS Compliant=Yes, Series=-, Stock 1=24687, SubFamily="Supervisor and Reset IC", Supplier 1=Digi-Key, Supply Current=30uA, Time Delay(ms)=200, Type="Simple Reset/Power-On Reset", VCC(Max)(V)=6, VCC(Min)(V)=1.1, Watchdog Timer=No
U4 U5 U6: library part CMP-0055-01104-3, "Single 8 MHz Low Power CMOS, EMI Hardened Operational Amplifier, 5-pin SC-70, Pb-Free", Case/Package=SC, Input Bias Current=0.1pA, Input Offset Voltage (Vos)=260uV, Manufacturer="Texas Instruments", Max Operating Temperature=125°C, Max Supply Voltage=5.5V, Min Operating Temperature=-40°C, Min Supply Voltage=2.7V, Nominal Supply Current=400uA, Operating Supply Current=430uA, Output Current=30mA, Output Current per Channel=65mA, Package Quantity=1, Package Reference=DCK0005A, PackageTopMarking=A98*XTT, PowerWise=Y, Voltage Gain=120dB, Amplifier Type="GENERAL PURPOSE", Category="Amplifiers - Op Amps, Buffer, Instrumentation", Code_IPC=SOT353-5, Code_JEDEC=MO-203-AA, Code_JEITA=SC-88A, Common Mode Rejection Ratio=77dB, ComponentLink1Description="Datasheet URL", ComponentLink1URL=http://www.ti.com/general/docs/lit/getliterature.tsp?genericPartNumber=LMV851&fileType=pdf, ComponentLink2Description=https://datasheet.ciiva.com/14460/lmv851-14460668.pdf?src-supplier=Avnet, ComponentLink2URL=https://datasheet.ciiva.com/14460/lmv851-14460668.pdf?src-supplier=Avnet, ComponentLink3Description=https://datasheet.ciiva.com/6627/lmv851-6627003.pdf?src-supplier=Digi-Key, ComponentLink3URL=https://datasheet.ciiva.com/6627/lmv851-6627003.pdf?src-supplier=Digi-Key, ComponentLink4Description=https://datasheet.ciiva.com/6626/lmv851-6626998.pdf?src-supplier=Digi-Key, ComponentLink4URL=https://datasheet.ciiva.com/6626/lmv851-6626998.pdf?src-supplier=Digi-Key, CompType=Amplifiers, Gain Bandwidth Product=8MHz, Lead Free="Lead Free", Manufacturer Part Number=LMV851MGX/NOPB, Mount="Surface Mount", Number of Channels=1, Number of Circuits=1, Number of Pins=5, PackageDescription="Molded SC-70, 2 x 1.25 x .9mm, 5 Lead, 0.65mm Pitch", Packaging="Tape and Reel", PinCount=5, Pricing 1="1=2.08000, 10=1.87100, 25=1.76480, 100=1.50370, 250=1.41192, 500=1.23544, 1000=1.06560 (USD)", Radiation Hardening=No, RoHS=Y, RoHS Compliant=Yes, Series=PowerWise®, Slew Rate=4.5V/µs, Stock 1=2870, Supplier 1=Digi-Key, Supply Current=400uA, Technology=CMOS
U200 U201: library part CMP-04903-000082-1, "IC GATE AND 1CH 2-INP SOT23-5", Manufacturer 1="Texas Instruments", Supplier Part Number 1=296-SN74AHC1G08DBV3CT-ND, Category="Logic Gates", ComponentLink1Description=http://www.ti.com/general/docs/suppproductinfo.tsp?distId=10&amp;gotoUrl=http%3A%2F%2Fwww.ti.com%2Flit%2Fgpn%2Fsn74ahc1g08&src-supplier=Digi-Key, ComponentLink1URL=http://www.ti.com/general/docs/suppproductinfo.tsp?distId=10&amp;gotoUrl=http%3A%2F%2Fwww.ti.com%2Flit%2Fgpn%2Fsn74ahc1g08&src-supplier=Digi-Key, Logic Function="AND GATE", Manufacturer Part Number 1=SN74AHC1G08DBV3, Pricing 1="1=0.53000, 10=0.42800, 25=0.39200, 100=0.29170, 250=0.26436, 500=0.21878, 1000=0.16409 (USD)", RoHS=Yes, RoHS Compliant=Yes, Stock 1=11940, Supplier 1=Digi-Key

## Nets (pads, with @x,y where several pads share a name; then routed paths per layer and width w, separated by ;. In a path a pad name is that pad's centre, name@x,y a point inside that pad or via, vN(x,y) a via of type N, cw(c..) or ccw(c..) an arc to the next point about the centre after c; other vN are vias at no path point)
3.3V: 3.3V_TP.1 C1.1 C2.2 C3.2 C4.1 C5.1 C6.1 C200.1 C201.1 C202.1 C203.1 D200.1 J2.2 MD200.4 R26.1 R200.2 R202.2 R203.2 R204.2 R205.2 U1.2 U3.3 U4.5 U5.5 U6.5 U200.5 U201.5
3.3V_RST_LED: LED1.2 R2.1
3.3V_RST_R: R2.2 U3.2 U200.1
5V: 5V_TP.1 J1.1 U1.3 U2.2
5V_RST_LED: LED2.2 R1.1
5V_RST_R: R1.2 U2.1
/WR(D/C): MD200.34 R6.2
ADC_IN: ADC_IN_TP1.1 C10.2 MD200.10 NO_POP3.2 U5.3 U5.4
AMP_INV: R21.1 R23.2 U6.3
BIAS_FBK: BIAS_TP1.1 NO_POP1.2 NO_POP2.1 R20.2 R23.1 U4.4
BIAS_IN: C7.2 R22.1
BIAS_INV: R20.1 R22.2 U4.3
BL_ON/OFF: MD200.41 R10.2
BL_R: J2.29 R10.1
CTP_INT: MD200.38 R19.2
CTP_INT_R: J2.39 R19.1
CTP_SCL: MD200.39 R9.2
CTP_SDA: MD200.40 R12.2
FLASH_/CS: MD200.20 R18.2
FLASH_/WP: MD200.35 R17.2
FLASH_R: FSHCS1.1 J2.37 R18.1
FLASH_WP_R: J2.38 R17.1
FONT_/CS: MD200.19 R15.2
FONT_CS_R: FCS1.1 J2.36 R15.1
GAIN_FB: AMP_TP1.1 NO_POP2.2 NO_POP3.1 R21.2 R24.1 U6.4
GND: C1.2 C2.1 C3.1 C4.2 C5.2 C6.2 C8.2 C9.2 C200.2 C201.2 C202.2 C203.2 GND_1.1 GND_2.1 GND_3.1 GND_200.1 J1.5 J2.1 J2.40 J3.1 LED1.1 LED2.1 MD200.1 MD200.15 MD200.43 P200.2 P201.3 PIEZO200.2 R27.1 R201.1 SW200.1 SW200.3 SW201.1 SW201.3 SW202.1 SW202.3 U1.1 U2.3 U3.1 U4.2 U5.2 U6.2 U200.3 U201.3
LCD_/CS: MD200.9 R5.2
LCD_CS_R: J2.23 LCDCS1.1 R5.1
LCD_RESET: MD200.37 R3.2
LCD_RST_R: J2.21 R3.1
LPF_C: C8.1 R25.2 U5.1
LPF_FBK: C10.1 R24.2 R25.1
PB_IN1: MD200.28 R202.1 SW200.2 SW200.4
PB_IN2: MD200.32 R204.1 SW202.2 SW202.4
PIEZO_PWM: MD200.33 PIEZO200.1
PRG_RESET_N: P200.3 R205.1 U201.2
RESET1: U200.4 U201.1
RESET_N: R203.1 SW201.2 SW201.4 U200.2
SC_CS_R: J2.35 R16.1 SDCS1.1
scb1_RX: MD200.13 P201.1
scb1_TX: MD200.12 P201.2
SCL_R: J2.30 J2.32 R9.1 R11.1 SCL1.1
SCLK(D/C(SCL)): MD200.21 R4.2 R14.2
SCLK_R1: J2.24 R4.1 SCLK1.1
SCLK_R2: J2.33 R14.1
SD_/CS: MD200.14 R16.2
SDA_R: J2.31 R12.1 SDA1.1
SDI(LCD_SDI): MD200.17 R8.2 R13.2
SDI_R1: J2.34 MISO1.1 R13.1
SDI_R2: J2.27 R8.1
SDO(LCD_SDO): MD200.18 R7.2 R11.2
SDO_R1: J2.28 MOSI1.1 R7.1
SIGNAL: C7.1 J3.2 J3.4 NO_POP1.1 SIG_TP1.1
SWDCLK: MD200.26 P200.4
SWDIO: MD200.27 P200.5
USR_LED: LED200.2 MD200.36
USR_LED_R: LED200.1 R201.2
"VCC/2 (1.65V)": C9.1 R26.2 R27.2 U4.1 U6.1
VTARG: D200.2 P200.1
WR_R: J2.25 R6.1
XRES_N: LED201.1 MD200.42 RESET_TP.1 U201.4
XRES_N_R: LED201.2 R200.1
pads on no net: J1.2 J1.3 J1.4 J1.6 J1.7 J1.8 J1.9 J1.10 J1.11 J2.3 J2.4 J2.5 J2.6 J2.7 J2.8 J2.9 J2.10 J2.11 J2.12 J2.13 J2.14 J2.15 J2.16 J2.17 J2.18 J2.19 J2.20 J2.22 J2.26 MD200.2 MD200.3 MD200.5 MD200.6 MD200.7 MD200.8 MD200.11 MD200.16 MD200.22 MD200.23 MD200.24 MD200.25 MD200.29 MD200.30 MD200.31

## Keep-outs
Keep-Out Layer:
  lines w10: 10.01,196.92 ccw(c194.35,199.35) 10.01,196.88 ; 5,196.85 ccw(c194.35,199.35) 196.85,10 cw(c194.35,199.35) 5,196.85 ; 5,196.85 5,3740.16 ; 5,196.85 5,3740.16 ; 5,3740.16 cw(c199.35,3742.66) 196.85,3937.01 ; 5,3740.16 cw(c199.35,3742.66) 196.85,3937.01 ; 10.01,196.88 ccw(c194.35,199.35) 196.78,15.01 cw(c196.85,10) 196.85,15.02 2160.35,15.02 cw(c2160.35,10) 2160.58,15.01 ccw(c2167.85,204.35) 2357.19,196.95 2357.19,3740.13 ccw(c2162.85,3737.66) 2160.45,3931.99 ; 10.01,196.88 10.01,3740.16 ccw(c5,3740.16) 10.01,3740.25 ; 10.01,3740.25 ccw(c199.35,3742.66) 10.01,3740.22 10.01,3740.25 ; 10.01,3740.25 cw(c199.35,3742.66) 196.91,3931.99 ccw(c196.85,3937.01) 198.43,3932.25 ccw(c200,3937.01) 200,3931.99 2160.35,3931.99 ccw(c2160.35,3937.01) 2160.45,3931.99 ; 196.85,3937.01 196.85,3937.01 ; 196.85,3937.01 196.85,3937.01 ; 2160.45,3931.99 ccw(c2162.85,3737.66) 2160.42,3931.99 ; 2160.42,3931.99 2160.45,3931.99

## Silkscreen, mask and mechanical layers (free items; w line width, h text height)
Top Overlay:
  drawing of 16 lines, arcs and shapes, not listed
Mechanical 2:
  lines w10: 196.85,3937.01 ccw(c199.35,3742.66) 5,3740.16 5,196.85 ccw(c194.35,199.35) 196.85,10 ; 200,3937.01 2160.35,3937.01 cw(c2162.85,3737.66) 2362.2,3740.16 2362.2,196.85 cw(c2167.85,204.35) 2160.35,10 196.85,10 ; 196.85,10 196.85,10

## Text inside footprints (layer, text, board x,y; h text height)
J1: Mechanical 1 "PCB EDGE" at 5005.71,1140.71 h11.81 r90
P200: Top Overlay "5" at 3124.61,959.21 h40 r90; Top Overlay "1" at 3124.61,569.45 h40 r90